# KiCad board Panel3-copy.kicad_pcb (continued)
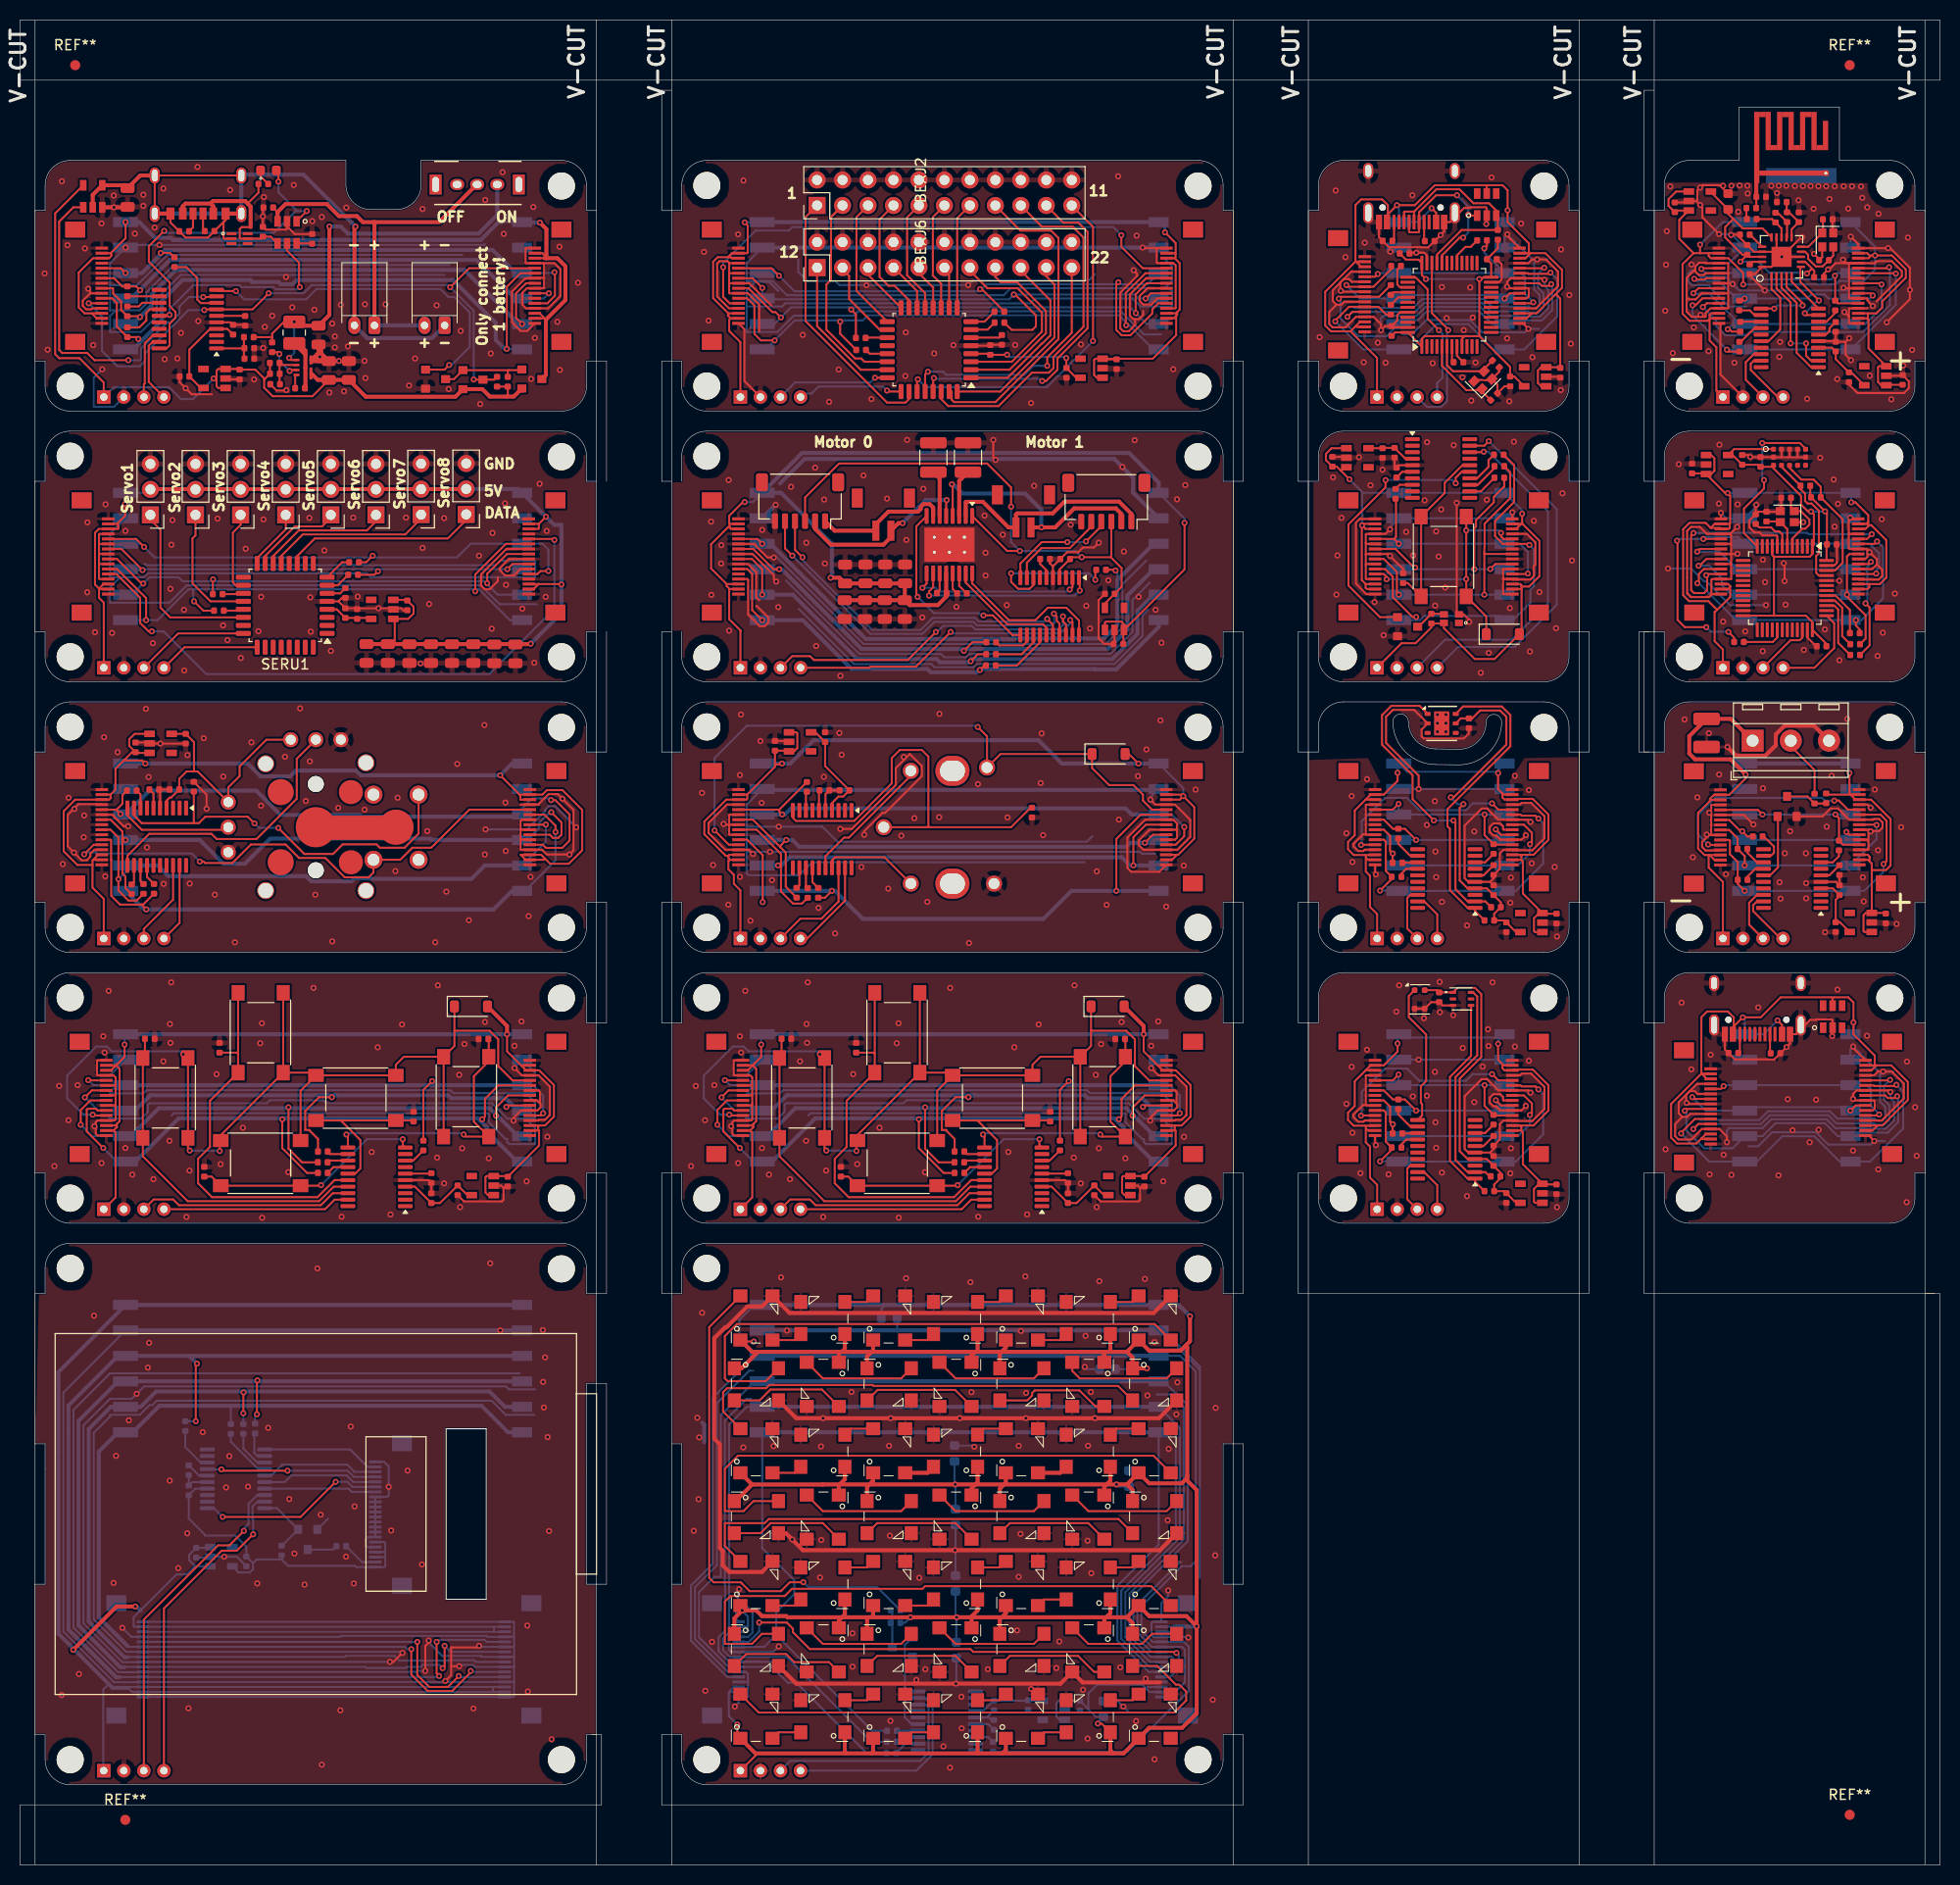
[diagram p0: board, top side]
## Routing (per net, layer and track width the routed paths; a pad name or vN(x,y) marks a point on that pad's centre or on a via; arc(x,y) is an arc through that point) (continued)
  Bottom w0.2: 113.25,100.85 111.9,100.85 111.7,101.05 v1(74.8,101.05) 72.6,101.05 72.47,100.92 ; 72.47,103.55 72.47,105.76 DIAJ3.2 ; 72.47,103.55 72.47,100.92 ; 72.47,103.55 v1(75.67,103.55) 80.03,103.55 81.53,102.05 106.4,102.05 106.97,102.62 ; 72.47,100.92 72.47,98.89 72.64,98.72 77.72,98.72 79,100 106.17,100 ; DIAJ5.5 112.75,106.48 v1(112.75,106.25)
  Bottom w0.4: DIAJ3.2 74.11,107.22 113.49,107.22 DIAJ5.5
  vias: v1(68.03,106.92) v1(69.12,99.72) v1(70.65,95.78) v1(71.8,108.7) v1(71.8,98.55) v1(71.91,114.74) v1(72.85,94.17) v1(73.85,112.1) v1(73.97,105.92) v1(75,98.22) v1(79.65,95.45) v1(80.17,108.53) v1(81.3,92.9) v1(81.72,112.9) v1(81.95,110.72) v1(83.92,99.53) v1(86.6,97.38) v1(87.9,102.65) v1(88.15,110.5) v1(89.2,104.4) v1(90.5,96.05) v1(91.7,114.8) v1(91.67,104.5) v1(94.65,91.95) v1(95.55,107.8) v1(98.5,104.47) v1(101.8,107.9) v1(101.9,112.85) v1(102.05,102.7) v1(107.4,99.1) v1(108.38,95.75) v1(109.6,104.25) v1(111.5,108.6) v1(112.35,111.25) v1(113.75,114.15) v1(114.32,95.58) v1(116.08,99.67) v1(117.25,107.25)
DIA_Interrupt5V: length 64.2
  Top w0.2: v1(95.53,113.5) 96.45,112.58 DIASW7.S1 97.8,110.8 DIAD2.1 106.92,109.4 108.62,107.7 111.05,107.7 112,106.75 112,106.15 112.9,105.25 DIAJ2.12 ; DIAJ1.12 70.7,101.75 v1(69.28,103.17)
  Bottom w0.2: v1(69.28,103.17) 69.28,110.4 72.5,113.62 95.4,113.62 v1(95.53,113.5)
DIA_MISO: length 59.6
  Top w0.2: DIAJ2.9 112.3,103.75 111.05,102.5 v1(111.05,99.69) ; DIAR4.2 77.99,95.88 77.1,95.88 75.9,97.08 75.9,99.78 ; v1(75.6,99.69) 75.69,99.78 75.9,99.78 ; 75.9,99.78 75.9,100.83 73.47,103.25 DIAJ1.9
  Bottom w0.4: DIAJ3.5 v1(75.6,99.69) 75.94,99.69 76.75,100.5 109.9,100.5 110.71,99.69 v1(111.05,99.69) DIAJ5.2
DIA_MOSI: length 63.6
  Top w0.2: DIAR2.2 80.29,96.47 v1(80.97,97.15) ; v1(74.08,96.03) 74.08,100.7 72.53,102.25 DIAJ1.11 ; v1(109.35,97.15) 109.35,102.33 111.78,104.75 DIAJ2.11
  Bottom w0.2: DIAJ3.6 74.08,97.1 v1(74.08,96.03)
  Bottom w0.4: DIAJ3.6 v1(80.97,97.15) 81.28,97.15 84.08,94.35 102.08,94.35 104.88,97.15 v1(109.35,97.15) DIAJ5.1
DIA_Net-(U3-NRST): length 2
  Top w0.2: DIAU3.6 79.69,107.12 DIAC1.1
DIA_Net-(U3-PA1): length 1.9
  Top w0.2: DIAR1.1 78.39,106.94 DIAU3.8
DIA_Net-(U3-PA5): length 2.1
  Top w0.2: DIAU3.12 77.74,97.72 DIAR3.1
DIA_Net-(U3-PA6): length 2.1
  Top w0.2: DIAR4.1 78.39,97.6 DIAU3.13
DIA_Net-(U3-PA7): length 2.3
  Top w0.2: DIAR2.1 79.04,98.02 DIAU3.14
DIA_PS: length 54.8
  Top w0.2: v1(76.03,104.77) 75.73,105.07 75.73,105.25 ; 75.73,105.25 DIAR1.2 ; 75.73,105.25 DIAJ1.5 ; DIAJ2.5 115.27,101.75 116.12,102.61 v1(116.12,103.53)
  Bottom w0.2: v1(116.12,103.53) 114.88,104.77 DIAJ5.4
  Bottom w0.4: DIAJ5.4 110.88,104.77 110.27,105.38 76.9,105.38 76.3,104.77 v1(76.03,104.77) DIAJ3.3
DIA_SCLK: length 54.6
  Top w0.2: 75.85,101.5 76.38,100.97 76.38,97.56 DIAR3.2 ; 75.85,101.5 73.1,104.25 DIAJ1.7 ; 75.85,101.5 75.85,101.66 v1(76.42,102.23) ; DIAJ2.7 113,102.75 v1(112.2,101.95)
  Bottom w0.4: DIAJ3.4 v1(76.42,102.23) 77.05,102.23 77.72,101.55 110.35,101.55 110.75,101.95 v1(112.2,101.95) 113.3,101.95 DIAJ5.3
DIA_SW1: length 43.7
  Top w0.2: 88.7,103.5 98.85,103.5 100.8,105.44 DIAR5.2 ; DIASW7.S2 90.7,103.5 90.6,103.6 90.6,110.55 89.95,111.2 87.75,111.2 86.95,110.4 86.95,107.88 83.2,104.12 77.4,104.12 77.09,104.44 DIAU3.10
DIA_SWDCLK: length 9.3
  Top w0.2: DIAJ4.4 78.52,92.4 82.29,96.17 DIAU3.19
DIA_SWDIO: length 10.7
  Top w0.2: DIAU3.18 81.64,96.09 79.92,94.38 77.83,94.38 DIAJ4.3
DIA_VDD: length 10.6
  Top w0.2: DIAU2.5 79.33,112.97 DIAC9.1 80.3,109.6 DIAC2.1 82.1,106.56 81.63,106.56 80.99,105.91 DIAU3.4
DIS_5V: length 70.4
  Top w0.2: DISJ5.14 170.38,127.75 170.62,127.5 170.38,127.25 DISJ5.15 170.53,127.25 170.58,127.2 170.58,126.45 169.82,125.7 169.8,125.7 169.28,125.17 ; DISU2.1 168.68,140.62 169,140.3 169,139.05 168.68,138.72 DISU2.3 ; 184.35,133.95 184.15,133.75 DISJ3.15 ; 184.35,133.95 184.35,134.62 183.07,135.9 v1(182.65,135.9) ; 184.35,133.95 184.35,133.62 ; DISJ3.3 184.45,127.75 ; 184.45,127.75 185.51,127.75 186.15,128.39 186.15,132.12 184.65,133.62 184.35,133.62 ; 184.45,127.75 184.45,127.42 184.28,127.25 DISJ3.2 ; DISJ3.14 184.07,133.25 184.35,133.53 184.35,133.62 ; 168.62,133.35 168.12,133.85 166.51,133.85 165.88,133.22 165.88,126.64 166.47,126.05 168.4,126.05 169.28,125.17 ; 168.62,133.35 169.03,133.75 DISJ5.2 170.53,133.75 ; 168.62,133.35 169.56,133.35 DISJ5.3 170.43,133.25 170.53,133.35 170.53,133.75 ; DISU2.3 168.11,138.78 DISC8.1 ; DISU2.3 170.07,136.82 v1(170.32,136.82) 170.58,136.57 170.58,133.8 170.53,133.75 ; 169.28,125.17 169.07,124.97 169.03,124.97 169.03,122.05 169.85,121.22 DISJ4.1
  Bottom w0.2: v1(182.65,135.9) 182.65,136.78 DISJ2.6 DISJ1.1 172,136.82 v1(170.32,136.82)
DIS_GND: length 91.4
  Top w0.2: DISC9.2 172.38,140.62 v1(172.57,140.43) 172.59,140.41 DISC3.2 174.88,140.41 DISU1.12 175.65,140.39 ; 184.27,130.75 184.27,130.47 184.05,130.25 DISJ3.8 ; 184.27,130.75 184.55,130.75 184.57,130.78 184.65,130.78 185.21,130.21 185.21,129.71 ; 184.27,130.75 184.27,131.2 184.22,131.25 DISJ3.10 ; DISJ5.6 170.62,131.75 170.68,131.7 ; DISJ5.10 170.6,129.75 170.68,129.68 ; 170.68,130.72 170.68,131.7 ; 170.68,130.72 170.68,129.68 ; 170.68,130.72 170.65,130.75 170.53,130.75 ; 170.68,131.7 170.68,132.6 170.53,132.75 DISJ5.4 ; DISJ5.8 170.53,130.75 ; 170.53,130.75 171.28,130.75 v1(171.3,130.77) ; DISJ3.10 182.47,131.25 182.4,131.32 182.4,132.82 ; DISJ3.10 184.15,131.25 v1(184.48,130.93) ; v1(175.93,129.83) 176,129.75 v1(176,128.05) ; 182.4,132.82 182.4,134.05 182.6,134.25 DISJ3.16 182.67,134.25 v1(182.55,134.37) ; 182.4,132.82 182.47,132.75 DISJ3.13 ; 185.21,129.71 184.75,129.25 DISJ3.6 ; 185.21,129.71 185.74,129.19 185.74,128.55 185.39,128.2 185.08,128.2 185.07,128.2 183.4,128.2 DISJ3.4 ; 176.4,140.39 177.22,140.39 ; 176.4,140.39 176.5,140.49 DISU1.3 ; 176.4,140.39 175.65,140.39 ; 177.22,140.39 177.3,140.47 DISU1.4 ; 177.22,140.39 DISU1.6 ; DISJ5.4 168.25,132.75 167.55,133.45 166.68,133.45 166.28,133.06 166.28,126.81 166.64,126.45 168.48,126.45 168.78,126.75 ; DISJ5.4 170.57,132.75 v1(171.28,133.45) ; 168.78,126.75 168.7,126.83 168.7,128.17 168.78,128.25 DISJ5.13 170.68,128.25 170.68,129.68 ; 168.78,126.75 DISJ5.16 ; DISC11.1 173.38,134.96 DISC7.1 175.51,134.96 DISY1.2 175.66,135.12 DISC6.1 ; DISC11.1 172.5,134.09 172.5,133.4 173.01,132.9 173.5,132.9 173.8,132.6 175.2,132.6 175.28,132.53 DISU3.8 ; DISC11.1 173.12,135.6 v1(173.19,135.66) ; DISC5.2 179.14,121.55 178.28,122.42 DISU3.35 ; DISJ5.1 169.66,134.84 v1(169.65,134.85) ; DISU1.2 175.7,140.44 175.65,140.39 ; DISC4.2 181.22,131.68 181.22,129.87 180.96,129.6 DISU3.47 ; 176.97,133.93 v1(177.88,133.93)
  Bottom w0.2: DISJ1.2 173.19,135.47 v1(173.19,135.66) ; DISJ1.2 170.19,134.31 v1(169.65,134.85) ; DISJ1.2 171.28,133.56 v1(171.28,133.45) ; v1(164.38,129.3) 166.68,129.3 167.94,128.04 168.18,128.04 170.56,125.65 v1(174.15,125.65)
  vias: v1(165.45,139.7) v1(169.45,135.78) v1(169.5,141.65) v1(169.88,124) v1(171.32,135.7) v1(172.07,123.03) v1(173.85,130.18) v1(173.82,121.05) v1(174.05,127.95) v1(176.1,125.7) v1(177.93,121.17) v1(179.55,140.35) v1(180.03,123.22) v1(180.9,138.18) v1(181,133.47) v1(181.32,135.75) v1(181.45,128.07) v1(181.47,120.15) v1(185.28,120.58) v1(185.7,134.22) v1(185.8,122.9) v1(187,126.8)
DIS_Interrupt5V: length 30.2
  Top w0.2: DISJ5.12 168.3,128.75 v1(168.19,128.64) 168.28,128.55 168.28,127.15 167.97,126.85 166.97,126.85 166.68,127.14 166.68,132.61 v1(166.93,132.85) ; DISJ3.12 184.22,132.25 v1(184.7,132.72)
  Bottom w0.2: v1(166.93,132.85) 178.28,132.85 178.4,132.72 v1(184.7,132.72) ; 168.07,128.53 v1(168.19,128.64)
DIS_MISO: length 30.9
  Top w0.2: DISJ5.9 168.2,130.25 167.52,129.57 v1(167.43,129.57) ; DISR8.2 184.09,122.31 184.09,124.63 182.22,126.5 v1(182.22,126.69) 182.22,130.5 182.47,130.75 DISJ3.9
  Bottom w0.2: v1(167.43,129.57) 168.5,129.57 169,129.07 168.78,129.3 169.75,128.32 169.75,127.62 170.69,126.69 DISJ1.5 DISJ2.2
DIS_MISO_UC: length 5.8
  Top w0.2: DISU3.40 181.02,126.1 181.75,125.37 181.75,122.56 182.56,121.75
DIS_MOSI: length 33.1
  Top w0.2: DISJ3.11 184.97,131.75 v1(185.22,132) ; 167.45,127.85 167.45,128.75 167.95,129.25 DISJ5.11 ; v1(183.12,124.15) 183.12,123.6 183.49,123.23 DISR9.2
  Bottom w0.2: v1(167.3,127.83) 167.32,127.85 167.45,127.85 171.15,124.15 DISJ1.6 DISJ2.1 ; v1(183.12,124.15) 183.65,124.15 185.82,126.33 185.82,131.4 v1(185.22,132)
DIS_MOSI_UC: length 5.2
  Top w0.2: DISR9.1 182.52,125.17 181.09,126.6 DISU3.41
DIS_Net-(U3-NRST): length 4.3
  Top w0.2: DISU3.7 175.78,132.7 175.47,133 175.05,133 174.66,133.39 174.66,133.4 173.47,133.4 DISC11.2
DIS_OSC_IN: length 6.9
  Top w0.2: DISC6.2 176.63,135.37 DISY1.1 177.62,135.03 178.47,134.18 178.47,133.68 178.07,133.28 177.77,133.28 176.78,132.28 DISU3.5
DIS_OSC_OUT: length 4.1
  Top w0.2: DISC7.2 175.51,133.99 176.28,133.22 DISU3.6
DIS_PS: length 41.5
  Top w0.2: v1(170.4,122.97) 170.97,122.41 DISR10.2 ; v1(185.14,128.8) 185.09,128.75 DISJ3.5 ; DISJ5.5 167.8,132.25 ; v1(165.28,132.07) 165.32,132.03 165.32,124.17 166.05,123.45 v1(168.2,123.45)
  Bottom w0.2: v1(185.14,128.8) 185.14,129.11 185.43,129.4 185.43,130.82 184.48,131.77 DISJ2.4 DISJ1.3 171.34,132.45 168.1,132.45 v1(167.9,132.25) 165.45,132.25 v1(165.28,132.07) ; v1(170.4,122.97) 170.38,123 168.65,123 v1(168.2,123.45)
DIS_PS_UC: length 4.3
  Top w0.2: DISR10.1 174.83,121.97 175.28,122.42 DISU3.29
DIS_SCL: length 13.8
  Top w0.2: DISU1.10 175.7,139.44 DISR6.1 177.59,137.22 178.04,136.77 178.04,136.04 178.3,135.78 178.69,135.78 179.43,135.05 179.43,130.82 179.15,130.55 179.15,128.87 179.42,128.6 DISU3.45
DIS_SCLK: length 31.6
  Top w0.2: v1(167.28,130.98) 167.55,131.25 DISJ5.7 ; DISR7.2 184.49,121.63 184.49,125.41 v1(184.07,125.83) ; v1(184.61,129.96) 184.42,129.77 184.42,129.75 DISJ3.7
  Bottom w0.2: 184.03,129.23 184.35,129.55 184.35,129.7 v1(184.61,129.96) ; 184.03,129.23 184.25,129.01 184.25,126 v1(184.07,125.83) ; 184.03,129.23 DISJ2.3 DISJ1.4 171.28,129.23 169.52,130.98 v1(167.28,130.98)
DIS_SCLK_UC: length 6.4
  Top w0.2: 182.56,120.67 181.35,121.88 181.35,125.21 180.96,125.6 DISU3.39
DIS_SDA: length 14.6
  Top w0.2: DISU1.9 176.5,139.34 177.67,138.17 178.9,138.17 179.61,137.46 DISR5.1 181.79,134.22 181.79,129.87 181.02,129.1 DISU3.46
DIS_SWDCLK: length 9.5
  Top w0.2: DISU3.37 180.95,123.84 180.95,121.37 178.98,119.4 DISJ4.4
DIS_SWDIO: length 5.9
  Top w0.2: DISU3.34 177.78,122.42 177.51,122.15 176.6,122.15 DISJ4.3
DIS_VDD: length 51.3
  Top w0.2: 174.97,124.6 DISU3.24 ; 174.97,124.6 178.13,124.6 178.78,123.96 DISU3.36 180.18,121.79 DISC5.1 ; 174.97,124.6 174.94,124.63 174.94,130.47 ; DISU1.1 174.88,141.22 170.97,141.22 DISU2.5 170.81,140.62 DISC9.1 173.39,139.65 DISC3.1 174.75,139.44 DISU1.11 174.9,139.28 177.65,136.54 177.65,135.68 178.34,134.99 v1(178.64,134.99) 178.92,134.7 178.92,131.66 DISU3.1 178.78,130.74 178.51,130.47 174.94,130.47 ; 174.94,130.47 174.78,130.64 DISU3.9 ; DISU3.48 180.19,131.66 DISC4.1 180.23,134.81 v1(180.04,135) DISR5.2 178.56,136.48 DISR6.2
  Bottom w0.2: v1(178.64,134.99) 180.04,134.99 v1(180.04,135)
DIS_XSHUT: length 16.4
  Top w0.2: v1(173.78,141.81) 177.53,141.81 178.1,141.25 DISU1.5 ; DISU3.12 171.95,132.84 171.95,135.28 173.95,137.28 v1(173.95,138.12)
  Bottom w0.2: v1(173.95,138.12) 173.78,138.3 v1(173.78,141.81)
JOY_5V: length 102.5
  Top w0.2: 49.8,106.75 JOYJ5.15 52.1,106.75 52.55,107.2 54.1,107.2 56.07,105.23 56.07,101.2 54.72,99.85 52.88,99.85 52.36,100.36 ; 49.8,106.75 49.9,106.65 49.9,106.25 JOYJ5.14 ; 49.8,106.75 49.8,106.78 v1(47.9,108.67) ; JOYU2.3 11.59,110.91 JOYC8.1 ; JOYJ2.15 7.28,100.25 ; 7.28,100.25 7.23,100.2 7.23,97.47 8.35,96.35 JOYJ4.1 ; 7.28,100.25 7.78,100.75 JOYJ2.14 ; JOYC8.1 10.89,111.6 10.89,112.27 11.43,112.81 JOYU2.1 ; JOYC8.1 11.16,110.97 10.34,110.16 ; 10.34,110.16 9.52,109.33 9.52,107.23 9.03,106.75 ; 10.34,110.16 12.2,110.16 v1(12.5,109.85) ; 52.36,100.36 51.98,100.75 JOYJ5.3 49.93,100.75 50.43,100.25 JOYJ5.2 52.25,100.25 52.36,100.36 ; 7.23,99.73 5.72,99.73 4.35,101.1 4.35,105.1 5.5,106.25 JOYJ2.3 8.9,106.25 9.07,106.42 9.03,106.46 9.03,106.75 ; JOYJ2.2 9.03,106.75
  Bottom w0.4: JOYJ1.1 v1(12.5,109.85) 22.71,109.85 23.98,108.58 26.95,108.58 27.52,109.15 33.51,109.15 33.98,108.67 v1(47.9,108.67) 49.08,109.85
JOY_BUTTON: length 39.5
  Top w0.2: JOYU3.9 11.36,104.68 12.14,103.9 17.27,103.9 ; 17.27,103.9 17.82,103.9 18.48,104.55 22.71,104.55 v1(23.38,103.88) ; 17.27,103.9 17.33,103.96 JOYR6.2 ; JOYU1.D 39.75,102.85 38.35,101.45 35.89,101.45 35.55,101.79 32.18,101.79 31.22,100.83 28.36,100.83 v1(25.76,103.43)
  Bottom w0.2: v1(25.76,103.43) 23.83,103.43 v1(23.38,103.88)
JOY_GND: length 59.6
  Top w0.2: 5.19,105.16 5.35,105.32 v1(5.42,105.32) ; 5.19,105.16 5.83,105.8 8.11,105.8 JOYJ2.4 ; 5.19,105.16 4.75,104.72 4.75,101.6 v1(5.38,100.97) 6.15,100.2 6.64,100.2 7,100.55 7,100.83 7.41,101.25 JOYJ2.13 ; JOYC9.2 v1(13.99,111.84) 12.94,111.84 JOYU2.2 12.84,111.94 JOYC8.2 ; 49.92,103.29 49.96,103.25 JOYJ5.8 ; 49.92,103.29 49.92,102.32 ; 49.92,103.29 49.92,104.1 50.07,104.25 JOYJ5.10 ; JOYU3.5 13.96,107.17 JOYC1.2 JOYC2.2 ; JOYR6.1 18.6,106.75 v1(18.6,105.34) ; v1(10.78,103.6) 10.33,103.6 9.18,104.75 JOYJ2.6 ; JOYJ5.4 49.97,101.25 49.92,101.3 49.92,102.32 ; 50.86,105.75 51.73,105.75 51.73,105.82 52.72,106.8 53.64,106.8 v1(54.1,106.34) 55.21,105.23 55.21,101.18 v1(54.8,100.78) 52.54,100.78 52.07,101.25 50.86,101.25 ; 49.92,102.32 49.99,102.25 JOYJ5.6 ; JOYJ5.13 49.97,105.75 49.92,105.7
  Bottom w0.2: v1(55.47,103.49) 53.36,105.6 52.74,105.6 52.38,105.25 52.38,105.11 50.55,103.28 v1(46.43,103.28) ; JOYU1.6 21.24,101.47
  vias: v1(4.27,99.82) v1(4.84,106.44) v1(6.4,104.67) v1(6.35,102.5) v1(8.38,112.48) v1(8.5,98.6) v1(9.73,110.98) v1(12.55,115.3) v1(12.66,101.48) v1(12.82,108.51) v1(14.33,97.85) v1(16.7,110.69) v1(16.92,97.88) v1(18.32,112.38) v1(19.43,96.77) v1(20.26,108.55) v1(21.43,92.02) v1(23.08,111.96) v1(24.04,105.65) v1(26.42,110.52) v1(27.93,115.35) v1(28.51,106.11) v1(28.91,110.07) v1(29.45,96.77) v1(31.14,92.11) v1(31.73,105.43) v1(34.37,105.25) v1(37.44,99.12) v1(37.66,106.44) v1(40.62,103.11) v1(41.42,92.02) v1(42.52,97.07) v1(43.61,109.81) v1(44.77,94.22) v1(46.32,113.69) v1(46.36,100.78) v1(48.41,105.96) v1(48.45,101.12) v1(50.73,94.63) v1(50.92,98.55)
JOY_HORIZONTAL: length 27.3
  Top w0.2: JOYU1.2 27.6,110.33 27.6,106.34 23.58,102.32 19.61,102.32 19.09,102.84 12.89,102.84 10.71,100.66 JOYU3.11
JOY_Interrupt5V: length 52.7
  Top w0.2: v1(17.93,100.08) 18.31,100.08 18.46,99.92 21.18,99.92 23.03,101.78 26.49,101.78 27.83,100.43 30.45,100.43 32.38,98.5 34.77,98.5 35.25,98.98 JOYU1.A 37.92,100.25 39.12,101.45 41.01,101.45 44.81,105.25 JOYJ5.12 ; v1(6.39,100.8) 7.33,101.74 8.11,101.74
  Bottom w0.2: v1(6.39,100.8) 6.59,101 7.57,101 7.69,100.88 17.12,100.88 v1(17.93,100.08)
JOY_MISO: length 58.7
  Top w0.2: v1(52.44,103.76) 52.43,103.75 50.86,103.75 ; JOYR4.2 11.63,96.18 10.82,96.18 9.81,97.19 v1(9.81,98.33) 9.81,102.47 9.03,103.25 JOYJ2.9
  Bottom w0.2: v1(9.81,98.33) 10.53,99.04 JOYJ1.5 ; v1(52.44,103.76) 52.44,102.06 50.08,99.69
  Bottom w0.4: JOYJ1.5 13.73,99.69 14.8,98.62 28.52,98.62 29.04,98.1 33.08,98.1 33.4,98.42 35.02,98.42 35.09,98.35 45.02,98.35 46.36,99.69 49.08,99.69
JOY_MOSI: length 64.4
  Top w0.2: 12.1,95.78 12.12,95.78 v1(12.6,95.3) ; 12.1,95.78 9.97,95.78 9.1,96.65 9.1,100.2 9.08,100.22 9.08,102.2 9.03,102.25 JOYJ2.11 ; 12.1,95.78 12.28,95.78 JOYR2.2 ; 50.86,104.75 52.3,104.75 53.41,103.64 v1(53.41,103.03)
  Bottom w0.2: 49.08,97.15 50.37,97.15 53.41,100.19 v1(53.41,103.03)
  Bottom w0.4: 49.08,97.15 47.23,95.3 v1(12.6,95.3) 12.38,95.3 JOYJ1.6
JOY_Net-(U3-NRST): length 2
  Top w0.2: JOYC1.1 13.31,106.85 JOYU3.6
JOY_Net-(U3-PA1): length 1.9
  Top w0.2: JOYR1.1 12.01,106.77 JOYU3.8
JOY_Net-(U3-PA5): length 2
  Top w0.2: JOYU3.12 11.36,98.03 JOYR3.1
JOY_Net-(U3-PA6): length 2
  Top w0.2: JOYU3.13 12.01,98.13 JOYR4.1
JOY_Net-(U3-PA7): length 2.1
  Top w0.2: JOYU3.14 12.66,98.54 JOYR2.1
JOY_PS: length 59.5
  Top w0.2: v1(52.96,106.2) 53.39,106.2 54.81,104.78 54.81,102.16 54.08,101.44 52.45,101.44 52.14,101.75 50.86,101.75 ; 10.66,107.15 10.21,106.7 10.21,105.84 9.62,105.25 ; v1(10.01,104.81) 9.62,105.21 9.62,105.25 ; 9.62,105.25 JOYJ2.5 ; 8.07,105.2 8.11,105.24
  Bottom w0.2: 49.46,104.77 51.07,106.38 52.78,106.38 v1(52.96,106.2)
  Bottom w0.4: JOYJ1.3 12.9,107.15 23.55,107.15 25.98,104.73 33.9,104.73 34.08,104.55 49.85,104.55
JOY_SCLK: length 61.6
  Top w0.2: v1(10.53,102.23) 10.5,102.2 10.21,102.2 ; 10.21,102.2 10.21,98.88 10.51,98.58 10.51,97.44 JOYR3.2 ; 10.21,102.2 10.21,103.07 9.03,104.25 JOYJ2.7 ; 50.86,102.75 52.84,102.75 53.16,102.43 53.67,102.43 54.01,102.76 54.01,103.98 v1(52.98,105)
  Bottom w0.2: 50.08,102.23 50.59,102.23 51.79,103.43 51.79,103.95 52.84,105 v1(52.98,105)
  Bottom w0.4: 50.08,102.23 41.04,102.23 40.92,102.35 24.93,102.35 22.43,99.85 20.29,99.85 17.91,102.23 v1(10.53,102.23)
JOY_SWDCLK: length 7.9
  Top w0.2: JOYU3.19 15.91,93.96 JOYJ4.4
JOY_SWDIO: length 8.5
  Top w0.2: JOYJ4.3 12.35,93.36 15.26,96.28 JOYU3.18
JOY_VDD: length 25.7
  Top w0.2: JOYU1.1 24.57,112.23 21.9,109.56 21.9,108.6 20.77,107.47 JOYU1.4 17.71,109.06 17.35,109.06 ; 17.35,109.06 17.35,111.98 JOYC9.1 JOYU2.5 ; 17.35,109.06 16.61,109.06 15.88,108.33 JOYC2.1 15.07,106.45 14.91,106.45 14.61,106.15 JOYU3.4
JOY_VERTICAL: length 12
  Top w0.2: JOYU3.10 10.71,104.68 12.15,103.24 21.01,103.24 ; JOYU1.5 20.51,103.24
LED_5V: length 83.9
  Top w0.2: LEDJ4.1 169.85,98.05 168.43,99.47 168.43,100.72 ; LEDC8.1 186.03,94.95 LEDU2.3 ; 168.53,100.72 169.03,100.22 LEDJ5.15 ; 168.53,100.72 168.43,100.72 ; 168.53,100.72 LEDJ5.14 ; 184.49,100.09 184.32,100.25 LEDJ7.2 ; 184.49,100.09 184.7,99.88 184.7,99.28 ; 184.49,100.09 184.49,100.49 184.53,100.53 184.3,100.75 LEDJ7.3 ; 168.56,106.12 168.56,106.33 168.95,106.72 LEDJ5.2 170.48,106.72 172.12,108.37 v1(172.12,108.75) ; 168.56,106.12 168.66,106.22 LEDJ5.3 ; 168.56,106.12 167.38,104.94 167.38,101.36 168.01,100.72 168.43,100.72 ; LEDU2.3 184.1,94.95 183.87,94.72 183.87,93.15 183.97,93.05 LEDU2.1 ; LEDU2.3 184.7,99.28 ; 184.7,99.28 184.75,99.22 186.12,99.22 186.57,99.68 186.57,104.3 184.63,106.25 LEDJ7.14 183.07,106.25 182.47,106.85 ; 182.47,106.85 182.57,106.75 LEDJ7.15 180.26,106.75 LEDR7.1 ; 182.47,106.85 v1(182.47,108.9)
  Top w0.4: v1(172.12,108.75) 170.6,110.28 167.07,110.28 166.5,110.85 166.5,112.58 LEDC4.1 170.65,114.3 LEDJ2.1
  Bottom w0.2: LEDJ3.6 182.47,109.75 v1(182.47,108.9) ; LEDJ1.1 172.12,109.75 v1(172.12,108.75)
  Bottom w0.4: LEDJ1.1 LEDJ3.6
LED_GND: length 49.3
  Top w0.2: LEDJ5.13 169.56,101.17 168.13,101.17 167.78,101.53 167.78,102.02 168.48,102.72 168.73,102.72 ; 168.73,102.72 168.68,102.78 168.68,104.2 ; 168.73,102.72 LEDJ5.10 168.27,102.72 v1(168.24,102.76) ; LEDQ3.2 179.78,104.57 180.58,105.37 181.32,105.37 182.44,104.25 LEDJ7.10 184.85,104.25 184.93,104.33 185.42,104.33 185.78,103.97 185.78,103.48 185.42,103.12 184.45,103.12 184.38,103.2 ; v1(168.5,104.94) 168.68,104.76 168.68,104.2 ; LEDJ5.6 171.94,104.72 v1(172.9,103.77) ; 184.38,103.2 184.38,102.3 184.32,102.25 LEDJ7.6 ; 184.38,103.2 184.32,103.25 LEDJ7.8 184.4,103.25 v1(184.57,103.07) ; LEDJ5.4 168.73,105.72 168.68,105.67 168.68,104.2 ; LEDU3.5 181.13,98.05 LEDC2.2 LEDC1.2 ; LEDJ7.13 184.28,105.75 v1(184.58,105.45) ; 184.18,102.25 184.38,102.05 184.38,101.3 184.32,101.25 LEDJ7.4
  Top w0.4: LEDJ2.3 178.94,113.63 176,113.63 175.12,112.75 175.12,111.67 174.09,110.63 171.17,110.63 v1(170.3,111.5)
  vias: v1(166.03,114.25) v1(166.85,100.5) v1(167.3,106.47) v1(168.45,112.88) v1(169.47,108.75) v1(170.15,98.83) v1(173.85,107.38) v1(175.5,98) v1(175.6,96.38) v1(176.03,100.9) v1(176.55,103.1) v1(178.12,100.9) v1(178.15,97.92) v1(178.15,96.4) v1(180.05,93.03) v1(180.2,103.55) v1(180.7,108.62) v1(182.25,114.3) v1(183.8,98.5) v1(183.9,96.1) v1(185,107.25) v1(185.32,101.2) v1(187.18,93.85) v1(187.62,103.5)
LED_Interrupt5V: length 21.9
  Top w0.2: LEDJ5.12 168.43,101.72 v1(168.38,101.78) ; v1(180.96,106.15) 181.42,106.15 182.32,105.25 LEDJ7.12
  Bottom w0.2: v1(180.96,106.15) 180.03,106.15 179.75,106.42 169.07,106.42 167.35,104.7 167.35,102.8 v1(168.38,101.78)
LED_LED_DATA: length 6.9
  Top w0.2: LEDU3.15 174.56,98.7 175.34,99.48 175.34,104.53 LEDQ3.1
LED_MISO: length 22.4
  Top w0.2: v1(185.18,103.72) 185.15,103.75 LEDJ7.9 ; v1(172.03,99.69) 172.03,100.62 LEDR4.2 171.31,102.39 170.48,103.22 LEDJ5.9
  Bottom w0.2: v1(172.03,99.69) LEDJ3.2 185.18,102.29 v1(185.18,103.72)
LED_MOSI: length 29.4
  Top w0.2: LEDJ7.11 185.56,104.75 186.18,104.14 186.18,100.12 v1(185.88,99.83) ; LEDJ5.11 170.48,102.22 170.55,102.16 170.55,100.8 171.33,100.02 LEDR2.2 171.33,97.84 v1(172.03,97.15)
  Bottom w0.2: v1(172.03,97.15) LEDJ3.1 183.95,97.15 185.88,99.08 v1(185.88,99.83)
LED_Net-(J2-Pin_2): length 5.9
  Top w0.2: LEDR5.2 178.99,109.21 176.53,111.67
LED_Net-(Q3-D): length 4.2
  Top w0.2: LEDR7.2 180.12,105.86 LEDR5.1 178.28,106.57 LEDQ3.3
LED_Net-(U3-NRST): length 2.3
  Top w0.2: LEDC1.1 180.47,98.7 LEDU3.6
LED_Net-(U3-PA1): length 2.6
  Top w0.2: LEDU3.8 180.81,100 181.43,100.61 LEDR1.1
LED_Net-(U3-PA5): length 3.3
  Top w0.2: LEDR3.1 173.93,102.58 174.94,101.57 174.94,100.94 174.65,100.65 LEDU3.12
LED_Net-(U3-PA6): length 2.4
  Top w0.2: 172.28,101.33 172.28,100.96 173.25,100 LEDU3.13
LED_Net-(U3-PA7): length 2.2
  Top w0.2: LEDR2.1 172.3,98.57 173.08,99.35 LEDU3.14
LED_PS: length 19.9
  Top w0.2: LEDJ7.5 181.84,101.75 LEDR1.2 181.43,104.42 v1(181.07,104.77) ; LEDJ5.5 173.34,105.22 v1(173.8,104.77)
  Bottom w0.2: LEDJ1.3 v1(173.8,104.77) v1(181.07,104.77) LEDJ3.4
LED_SCLK: length 17.8
  Top w0.2: LEDJ7.7 182.45,102.75 v1(182.18,103.03) ; LEDJ5.7 170.48,104.22 171.6,103.1 v1(171.78,103.1) 172.3,102.58 LEDR3.2
  Bottom w0.2: v1(182.18,103.03) 182.18,102.63 LEDJ3.3 LEDJ1.4 171.78,102.48 v1(171.78,103.1)
LED_SWDCLK: length 5.9
  Top w0.2: LEDJ4.4 175.6,92.4 172.87,95.13 172.87,95.72 173.25,96.1 LEDU3.19
LED_SWDIO: length 5.9
  Top w0.2: LEDJ4.3 172.47,93.78 172.47,95.97 173.25,96.75 LEDU3.18
LED_VDD: length 6.8
  Top w0.2: LEDU3.4 180.81,97.4 LEDC2.1 181.48,96.63 181.1,96.25 LEDC9.1 181.53,94.02 LEDU2.5
LIG_5V: length 65.2
  Top w0.2: LIGC8.1 151.91,67.87 LIGU2.3 ; 134.23,73.43 134.23,72.07 134.65,71.65 134.65,68.55 135.36,67.84 LIGJ4.1 ; 147.85,79.87 147.85,79.48 148.07,79.25 LIGJ3.14 148.92,79.33 150.89,79.33 152.45,77.76 152.45,75.24 150.96,73.75 149.57,73.75 ; 147.85,79.87 147.43,80.3 v1(147.43,81.9) ; 147.85,79.87 147.97,79.75 LIGJ3.15 ; 149.72,73.25 149.9,73.07 149.9,69.89 LIGU2.3 ; 149.72,73.25 LIGJ3.2 ; 149.72,73.25 149.75,73.28 149.75,73.58 149.57,73.75 ; LIGJ5.3 134.21,79.25 ; 134.21,79.25 134.71,79.75 LIGJ5.2 136.03,79.75 137.4,81.12 v1(137.4,81.92) ; 134.21,79.25 133.12,78.16 133.12,75.7 132.45,75.03 132.45,74.3 133.03,73.72 134.18,73.72 ; LIGU2.3 151.51,67.94 151,67.42 151,66.16 151.12,66.03 LIGU2.1 ; 134.18,73.72 134.25,73.65 134.25,73.45 134.45,73.25 LIGJ5.15 ; 134.18,73.72 135.13,73.72 LIGJ5.14 ; 149.57,73.75 LIGJ3.3
  Bottom w0.2: v1(137.4,81.92) 137.4,82.72 LIGJ1.1 137.86,82.51 147.74,82.51 LIGJ2.6 147.43,82.2 v1(147.43,81.9)
LIG_GND: length 64.2
  Top w0.2: 147.6,72.67 147.6,73.88 147.97,74.25 LIGJ3.4 148.9,74.2 150.85,74.2 152.05,75.4 152.05,77.6 150.72,78.92 149.78,78.92 149.6,78.75 LIGJ3.13 ; 147.6,72.67 147.67,72.75 LIGJ3.1 ; 147.6,72.67 147.6,72.36 LIGC1.2 146.98,71.4 146.63,71.05 ; LIGU4.2 LIGU4.3 140.75,86.05 LIGC3.2 141.88,85.72 LIGU1.3 ; LIGJ5.13 134.12,74.25 134,74.12 133.47,74.12 133,74.6 133,74.83 133.97,75.8 134.23,75.8 ; 134.23,75.8 134.28,75.75 LIGJ5.10 ; 134.23,75.8 134.23,78.7 134.28,78.75 LIGJ5.4 ; v1(135.23,71.79) 135.16,71.87 LIGJ5.16 ; 146.63,71.05 LIGU3.5 144.45,71.05 144.09,71.41 144.09,76.67 145.79,78.37 146.32,78.37 147.44,77.25 LIGJ3.10 150.43,77.25 v1(150.65,77.03) ; 146.63,71.05 LIGC2.2 ; v1(150.2,75.7) 149.75,75.25 LIGJ3.6 147.66,75.25 147.23,75.67 146.95,75.67 146.6,76.03 146.6,76.52 146.95,76.88 147.65,76.88 147.92,76.6 147.92,76.3 147.97,76.25 LIGJ3.8
  Bottom w0.2: LIGJ2.5 v1(139.5,80.31) LIGJ1.2
  vias: v1(132.3,75.9) v1(132.82,79.6) v1(132.9,73.03) v1(133.7,69) v1(134.35,81.3) v1(136.5,68.88) v1(137.28,85.1) v1(137.55,87.72) v1(138.93,76.65) v1(140.03,84.45) v1(140.32,76.72) v1(141.12,79.1) v1(141.18,74.08) v1(141.25,71.53) v1(141.6,88.08) v1(141.62,85.05) v1(141.82,69.05) v1(142.95,84.75) v1(143.9,81.47) v1(144.32,66.7) v1(145.05,76.08) v1(145.88,79.62) v1(146.43,83.35) v1(146.47,81.67) v1(146.88,88.03) v1(148.7,71.47) v1(148.65,68.97) v1(149.1,81.62) v1(150.5,80.2) v1(153.3,65.6)
LIG_Interrupt5V: length 20.9
  Top w0.2: LIGJ3.12 147.45,78.25 v1(146.82,78.88) ; v1(133.75,74.72) 133.78,74.75 LIGJ5.12
  Bottom w0.2: v1(146.82,78.88) 144.9,78.88 144.22,78.2 139.57,78.2 138.35,79.42 136.15,79.42 133.82,77.1 133.82,74.8 v1(133.75,74.72)
LIG_MICROPHONE_ADC: length 14.4
  Top w0.2: LIGU3.11 139.85,74.75 139.85,75.88 139.72,76 139.72,77.65 140.25,78.17 140.25,82.82 138.52,84.55 138.52,86.67 LIGU4.1
LIG_MISO: length 24
  Top w0.2: LIGR4.2 136.91,73.86 v1(136.93,73.88) 136.65,74.15 136.65,75.63 136.03,76.25 LIGJ5.9 ; v1(150.6,74.8) 150.8,75 150.8,75.95 150,76.75 LIGJ3.9
  Bottom w0.2: v1(150.6,74.8) 150.6,73.88 149.41,72.69 LIGJ2.2 LIGJ1.5 136.93,73.29 v1(136.93,73.88)
